# Altium PCB ADC130MSPS-V1-01.PcbDoc (part 5 of 7) (continued)
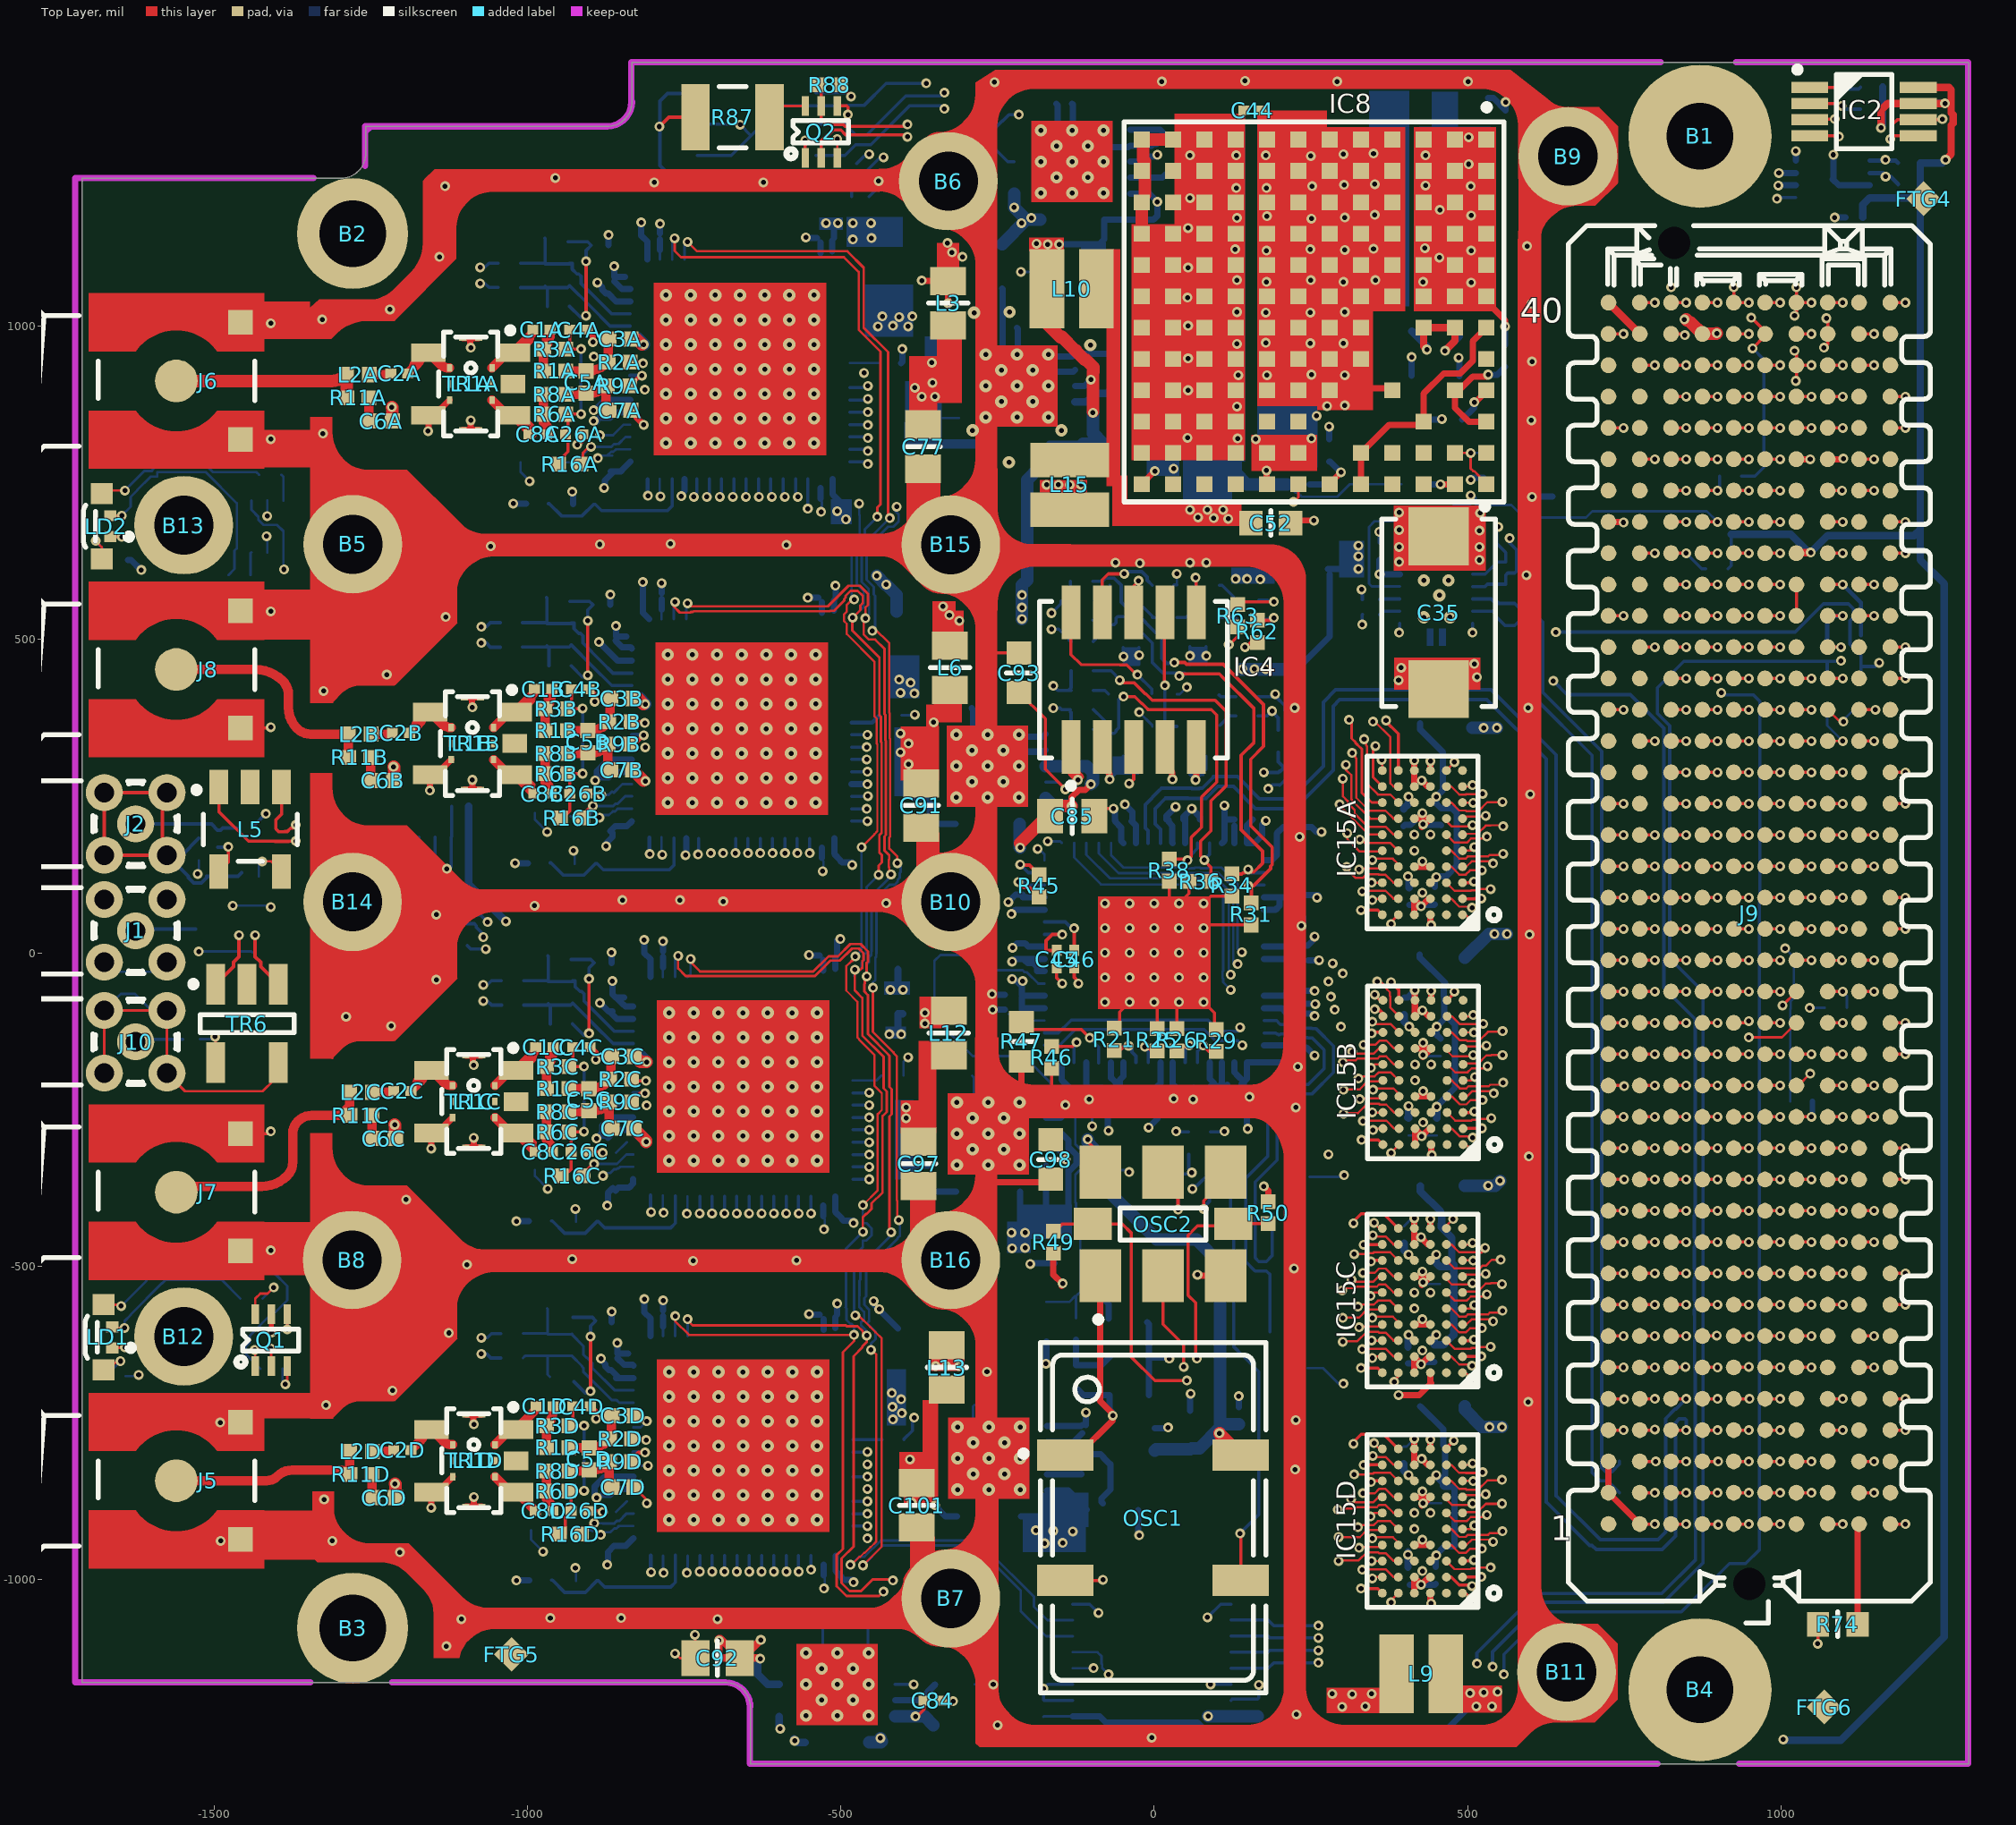
[diagram p0: Top Layer view]
## Nets (pads, with @x,y where several pads share a name; then routed paths per layer and width w, separated by ;. In a path a pad name is that pad's centre, name@x,y a point inside that pad or via, vN(x,y) a via of type N, cw(c..) or ccw(c..) an arc to the next point about the centre after c; other vN are vias at no path point) (continued)
  Bottom Layer w4: J1.2@-1675.87,-15 -1660.58,-30.28 R40.1@-1627,-30.28 -1591.15,-30.28 J1.2@-1575.87,-15 ; v1(-1527,126) -1527,129.54 -1525,131.55 R24.1@-1525,147.26 ; v1(-1470.82,75) -1470,75 -1469.6,75.4 D1.1@-1439.72,75.4 -1412.4,75.4 v1(-1410,73) ; Q5.4@-1441.18,722 -1441.18,707.31 -1429.87,696 -1429.87,691.25 -1421.75,683.13 -1400.13,683.13 -1390,673 Q5.1@-1390,639.32 -1390,613 v1(-1389,612) ; C12A.1@-1011.5,783 -1011.5,767.5 v1(-997,753) ; C12D.1@-994.5,-922 -994.5,-937.09 v1(-975.59,-956) ; C12C.1@-988.5,-347 -988.5,-356.5 v1(-968,-377) ; C12B.1@-988.5,223 -988.5,212.5 v1(-969,193) ; v1(-927,163) -925,161 R14B.2@-925,142 ; v1(-924,-982) -922.81,-983.19 R14D.2@-922.81,-1003 ; v1(-924,-409) v1@-924,-407 ; v1@-924,-406.1 v1@-924,-407 ; R14C.2@-922.92,-429.57 -922.92,-408.08 v1@-924,-407 ; v1(-888.25,789.78) -884.25,793.78 -873,793.78 ; v1(-885,826) -884.78,826.22 -863.78,826.22 -846.85,843.15 IC1A.4@-836.39,843.15 ; v1(-882.28,252) -870.83,252 C18B.1@-865.3,257.52 ; v1@-881.54,219.78 -870.28,219.78 -864.25,225.81 -860.49,225.81 -856.52,229.78 IC1B.2@-833.68,229.78 ; v1@-879.46,-351.8 -868.2,-351.8 -862.17,-345.76 -858.41,-345.76 -856.78,-344.14 -854.66,-344.14 -852.31,-341.8 IC1C.2@-831.6,-341.8 ; v1@-879.35,-925.22 -868.09,-925.22 -862.06,-919.19 -858.3,-919.19 -854.33,-915.22 IC1D.2@-831.49,-915.22 ; C17A.1@-876.87,909.95 -869.13,902.2 IC1A.7@-836.39,902.2 ; C17B.1@-874.16,335.95 -866.42,328.2 IC1B.7@-833.68,328.2 ; C17C.1@-872.08,-235.63 -864.34,-243.37 IC1C.7@-831.6,-243.37 ; C17D.1@-871.97,-809.05 -864.23,-816.8 IC1D.7@-831.49,-816.8 -829.28,-819 v1(-808,-819) ; C14A.1@-865,793.78 -873,793.78 ; C18B.1@-863,255.22 -849.07,269.15 IC1B.4@-833.68,269.15 ; C16D.1@-859.3,-679 IC1D.14@-831.49,-679 ; C18C.1@-858.98,-319.35 IC1C.4@-842.06,-302.43 ; C18D.1@-858.87,-892.78 IC1D.4@-841.94,-875.85 ; IC1A.2@-836.39,803.78 -859.23,803.78 -863.2,799.81 -866.97,799.81 -873,793.78 ; IC1D.10@-831.49,-757.74 -819.83,-757.74 v1(-810.09,-748) -820.04,-738.06 IC1D.11@-831.49,-738.06 ; IC1A.18@-789.15,1106.93 -789.15,1163.76 v1(-788.91,1164) ; IC1B.18@-786.43,532.93 -786.43,589.76 v1(-786.19,590) ; IC1C.18@-784.35,-38.65 -784.35,18.18 v1(-784.11,18.43) ; IC1D.18@-784.24,-612.07 -784.24,-555.24 v1(-784,-555) ; v1(-746,-990.02) -744.87,-988.9 IC1D.61@-744.87,-962.46 ; v1(-746,-416.6) -744.98,-415.58 IC1C.61@-744.98,-389.04 ; v1(-555.91,1142) -554.91,1141 C20A.1@-538.68,1141 ; v1@-553.19,568 -552.19,567 C20B.1@-535.97,567 ; v1(-553,567) v1@-553,567.81 ; v1(-551.11,-3.57) -550.11,-4.57 -533.89,-4.57 ; v1(-551,-577) -550,-578 C20D.1@-533.78,-578 ; v1@-531.91,708 -530.68,709.22 C19A.1@-530.68,720 ; IC10.7@-531.59,-1075.48 -529,-1078.07 IC10.21@-529,-1121 ; v1@-529.19,134 -527.97,135.22 C19B.1@-527.97,146 ; v1@-527.11,-437.57 -525.89,-436.35 C19C.1@-525.89,-425.57 ; v1@-527,-1011 -525.78,-1009.78 C19D.1@-525.78,-999 ; IC10.21@-457,-1121 -457,-1077.66 IC10.10@-454.82,-1075.48 ; R10B.1@-403.28,379 -383,379 v1(-382,380) ; R10C.1@-400.28,-196 -400.28,-174.28 v1(-393,-167) ; IC11.7@-290.59,-196.48 -288,-199.07 IC11.21@-288,-242 ; v2(-289,-782) -289,-724 IC12.7@-287,-722 ; C94.1@-286.5,-1168 v1(-257,-1168) ; C86.1@-281.57,-1233 v1(-250,-1233) ; IC11.8@-265,-196.48 -264,-197.48 IC11.21@-264,-242 ; v2(-264,-757) -264,-722 IC12.8@-260,-718 ; C59.1@-232,-98 ccw(c-207.21,-73.21) -207.21,-108.27 IC3.3@-175.2,-108.27 ; v1(-213,1087) C76.1@-182.43,1087 ; C54.2@-62.22,-347 -47.24,-347 cw(c-47.24,-357.24) v1(-40,-350) ; v3@-25,385 v3(-24,384) -3.14,363.14 TR3.3@-3.14,361.41 ; v1(1,769) -6.57,776.57 C75.1@-6.57,806 26.43,773 v1(31,773) ; v3(36,605) 36.14,604.86 TR2.3@36.14,587.59 ; TR5.3@36.14,412.59 40.59,412.59 v3(52,424) ; v1(226,-746) v1(226,-247) v1@226,-245 ; J3.2@245,-663.07 269.07,-663.07 297,-691 300,-688 v1(302,-688) ; J4.2@248,-357.93 300.07,-357.93 v1(303,-355) ; C22D.1@398,-788.22 402.78,-788.22 v1(415,-776) ; C22C.1@399,-436.22 413,-422.22 v1@413,-422 ; C21B.1@406,-291.78 C23B.1@451,-291.78 ; v1@429,-528 429.79,-528.78 C24C.1@456,-528.78 ; v1@430.02,-163.84 430.96,-164.78 C24B.1@457,-164.78 ; v1@432,-880 433.22,-878.78 C24D.1@458,-878.78
  Bottom Layer w5: IC13.4@-1173.39,11.39 -1173.39,52.61 -1165,61 v1(-1146,61) ; IC13.5@-1173.39,184.61 -1173.39,144.39 -1163,134 -1137,134 ; IC13.6@-1147.8,184.61 -1147.8,144.8 -1137,134 ; C41.2@-1121.78,234 -1121.78,185.04 IC13.7@-1122.2,184.61 -1122.2,137.2 -1122,137 -1126,137 v3(-1129,134) -1137,134 ; U2.5@-540.51,1373 -490,1373 v1(-484,1367) ; C104.2@-475,1259.78 -459.78,1275 v1(-455,1275) ; C103.2@-455.22,1207 -440,1222.22 v1(-440,1232) ; R10D.1@-399.25,-777.55 -399.25,-776.25 -386,-763 -386,-745 v1@-383.25,-742.25 ; IC14.2@-130,-1193.41 -175.81,-1193.41 C37.1@-177,-1192.22 v1(-177,-1175) -169.82,-1167.82 IC14.3@-130,-1167.82 ; IC14.8@-130,-1039.87 -103.13,-1039.87 v1(-89,-1054) ; v3(-71,277) -49.8,298.2 TR3.5@-49.8,313.57 TR3.4@-24.2,313.57 ; v3(-62,623) -61.22,623 TR4.9@-49.8,634.43 ; TR3.9@-49.8,460.43 TR3.10@-24.2,460.43 TR4.4@-24.2,487.57 ; TR4.5@-49.8,487.57 -49.8,473.8 v3(-49,473) ; v3(-25,594) -25,559 -3.14,537.14 TR4.3@-3.14,535.41 11.41,535.41 19,543 19,575 31.59,587.59 TR2.3@36.14,587.59 ; TR4.10@-24.2,634.43 -24.2,624.2 -23,623 v3(-23,622) ; v3@37,-285 38.28,-286.28 R52.2@55,-286.28 ; v3(57,623) 57,624 57.2,624.2 TR2.4@57.2,635.43 ; TR5.10@57.2,313.57 57.2,284.8 v3(66,276) 82.8,292.8 TR5.9@82.8,313.57 ; TR5.4@57.2,460.43 TR2.10@57.2,488.57 ; v3@62,-235 62.22,-234.78 C110.1@62.22,-213 ; TR5.5@82.8,460.43 TR2.9@82.8,488.57 ; TR2.5@82.8,635.43 82.8,624.2 83,624 v3(83,623) ; v1(85,-1061) 106.13,-1039.87 IC14.9@122.6,-1039.87 ; v1(90,-1168) 90.18,-1167.82 IC14.14@122.6,-1167.82 ; R30.2@90,-286.28 110.72,-286.28 v3(112,-285) ; IC14.15@122.6,-1193.41 124.79,-1191.22 C39.1@165,-1191.22 167,-1189.22 v1(167,-1169) ; C50.2@359,654.78 v3(359,672) ; v3(391,511) 391.93,511.93 IC16.6@391.93,525.63 ; v3(508,511) 508.07,511.07 IC16.5@508.07,525.63 ; C74.2@1239,1329.22 1254.22,1329.22 1256,1331 v3(1258,1331)
  Bottom Layer w10: R28.1@-1638.28,627 -1633,627 v1(-1617,611) ; v1(-929,736) -929,735 -927.72,733.72 R14A.2@-927.72,716 ; v1(-889,1070) -880.83,1061.83 -880.83,1058.19 -875.55,1052.92 -871.92,1052.92 -859,1040 IC1A.14@-836.39,1040 ; v1(-886.28,496) -856.28,466 IC1B.14@-833.68,466 ; v1(-885,-80) -871.22,-93.78 C16C.1@-869.63,-93.78 ; v1(-883,-648) -883.09,-648 -884.09,-649 -875.92,-657.17 -875.92,-660.81 -870.65,-666.08 -867.02,-666.08 C16D.1@-854.09,-679 ; C25A.1@-871.1,1129.45 -871.1,1144.9 -871,1145 v1(-871,1146) ; C25B.1@-868.38,555.45 -868.38,570.9 -868.28,571 v1(-868.28,572) ; C25C.1@-866.3,-16.13 -866.3,-0.67 -866.2,-0.57 v1(-866.2,0.43) ; C25D.1@-866.19,-589.55 -866.19,-574.1 -866.09,-574 v1(-866.09,-573) ; C16C.1@-865,-93.78 C16C.1@-869.63,-93.78 ; C16D.1@-859.19,-679 IC1D.14@-831.49,-679 ; IC1C.14@-831.6,-105.57 -857.84,-105.57 C16C.1@-869.63,-93.78 ; IC1A.18@-789.15,1122 C15A.1@-789.15,1138.95 ; C15A.1@-789.15,1148 v1@-789.15,1164.95 ; IC1B.18@-786.43,548 C15B.1@-786.43,564.95 ; -786.43,574 v1@-786.43,590.95 ; IC1C.18@-784.35,-23.57 C15C.1@-784.35,-6.62 ; C15C.1@-784.35,2.43 v1@-784.35,19.38 ; IC1D.18@-784.24,-597 C15D.1@-784.24,-580.05 ; C15D.1@-784.24,-571 v1@-784.24,-554.05 ; v1(-755,729) -754,729 -751.75,731.25 -751.75,734.99 -749.78,736.96 IC1A.61@-749.78,756.54 ; v1(-748,156) -747,156 -747.06,156.06 IC1B.61@-747.06,182.54 ; v1@-555.64,1141 C20A.1@-538.68,1141 ; v1@-552.92,567 C20B.1@-535.97,567 ; v1@-550.84,-4.57 -533.89,-4.57 ; v1@-550.73,-578 C20D.1@-533.78,-578 ; C19A.1@-532.91,725.05 IC1A.50@-532.91,742 ; IC1A.31@-532.91,1117 C20A.1@-532.91,1133.95 ; C19B.1@-530.19,151.05 IC1B.50@-530.19,168 ; IC1B.31@-530.19,543 C20B.1@-530.19,559.95 ; C19C.1@-528.11,-420.53 IC1C.50@-528.11,-403.57 ; IC1C.31@-528.11,-28.57 -528.11,-11.62 ; C19D.1@-528,-993.95 IC1D.50@-528,-977 ; IC1D.31@-528,-602 C20D.1@-528,-585.05 ; R10A.1@-404.16,941.45 -402,943.61 v1(-402,964) ; IC9.7@-291.59,390.52 -289,387.93 IC9.21@-289,345 ; IC9.8@-266,390.52 -265,389.52 IC9.21@-265,345 ; v1(-259,-66) -258,-67 C68.1@-238.78,-67 ; v1(-258,-91) C59.1@-238.78,-91 ; C78.1@-243,1060.57 -242,1059.57 IC6.21@-242,952 ; v1(-228,62) -221.1,68.9 IC3.12@-175.2,68.9 ; v1(-227,-14) -222.84,-9.84 IC3.8@-175.2,-9.84 ; IC6.8@-219,997.52 -218,996.52 IC6.21@-218,952 ; IC9.21@-217,321 -176.07,321 IC9.12@-173.48,323.59 ; IC9.21@-217,345 -177.66,345 IC9.11@-173.48,349.18 ; C69.1@-206,-12.78 -202.14,-16.64 -193.37,-16.64 -186.93,-23.08 -186.93,-29.53 IC3.7@-175.2,-29.53 ; v1(-198,-497) -196.43,-495.43 C95.1@-159,-495.43 ; v1(-173,-656) -172,-655 C55.1@-172,-620.5 ; IC11.12@-172.48,-263.41 -149.41,-263.41 -142,-256 v1(-142,-243) -142,-239.87 -151.68,-239.87 -153.73,-237.82 IC11.11@-172.48,-237.82 ; IC12.12@-171.48,-781.41 -129.41,-781.41 C102.1@-115,-767 ; IC12.11@-171.48,-755.82 -116.82,-755.82 C102.1@-115,-754 ; IC6.21@-170,928 -129.07,928 IC6.12@-126.48,930.59 ; IC6.21@-170,952 -130.66,952 IC6.11@-126.48,956.18 -74.31,956.18 C79.1@-66,964.5 ; IC7.7@-156.59,1355.52 -154,1352.93 IC7.21@-154,1310 ; IC7.8@-131,1355.52 -130,1354.52 IC7.21@-130,1310 ; C102.1@-109,-754 v1(-109,-734) ; IC3.62@-108.27,-175.2 -108.27,-214.95 C107.1@-108.22,-215 ; v1@-108,-234 -108.22,-233.78 C107.1@-108.22,-215 ; C108.1@-82.68,-215.32 -107.9,-215.32 C107.1@-108.22,-215 ; IC7.21@-82,1286 -41.07,1286 IC7.12@-38.48,1288.59 -4.27,1288.59 -1.99,1290.87 3.38,1290.87 C80.1@18,1305.5 9.5,1314 -38.3,1314 IC7.11@-38.48,1314.18 ; v1(-65,230) -63,230 -62.78,229.78 C67.1@-62.78,211 ; C67.1@-62,212 -62,209 -53.08,200.08 -53.08,179.06 IC3.22@-49.21,175.2 ; C100.1@-25.57,-890 -25.57,-928.43 v1(-24,-930) ; C58.1@-11,-590 -8.5,-592.5 C56.1@-8.5,-646.28 ; C57.1@-8.5,-706.28 C56.1@-8.5,-646.28 ; v1(24,-648) 23,-649 21,-649 18.28,-646.28 C56.1@-8.5,-646.28 ; IC3.55@29.53,-175.2 29.53,-209.75 C105.1@32.78,-213 32.78,-229.22 31,-231 v1(31,-233) ; C70.1@46.78,213 46.78,216.78 v1(60,230) 73.22,216.78 C64.1@73.22,213 ; IC3.27@49.21,175.2 C70.1@49.21,215.79 ; C53.1@57,-731.5 57,-706 58,-705 v1(58,-704) ; IC3.50@127.95,-175.2 127.95,-190.95 134,-197 142.89,-205.89 143,-206 C109.1@143,-213 ; C10.2@135,-725.22 v1(135,-708) ; C109.1@139.39,-209.39 147.64,-201.14 IC3.49@147.64,-175.2 207.42,-175.2 C106.1@211,-178.78 228.78,-178.78 229,-179 v1(229,-182) ; C109.1@141,-217 v1@150,-226 ; v1@149,-226 v1@152.78,-229.78 ; C65.1@157,213 147.64,203.64 IC3.32@147.64,175.2 160.2,175.2 172.22,187.22 172.22,205.22 v1(178,211) ; C72.1@218,64.22 230.78,64.22 238,57 v1@238,39 ; C63.1@219,38.78 233.78,38.78 234,39 v1@238,39 ; v1@230.62,187 231,187 v1@231,186 ; v1@231,183 v1@231,186 ; v1(232,185) v1@231,186 ; v1(235,43) 235,42 v1@238,39 ; C61.1@238.78,-97 249.55,-97 250.42,-97.87 254.87,-97.87 v3@256,-99 ; C66.1@238.78,-61 v3(256,-61) ; C62.1@245.78,-12 v3(263,-12) ; v3(256,-101) v3@256,-99 ; v3@256,-98 v3@256,-99 ; R80.2@279,819.72 279,838 280,839 v1(279,840) ; C22A.1@398,202.22 400.23,204.45 409.45,204.45 v1(428,223) ; C22B.1@399,-71.22 404.65,-71.22 v1(416.02,-59.84) ; C21C.1@405,-655.78 424.79,-655.78 v1(426,-657) 429.22,-653.78 C23C.1@447,-653.78 ; C21A.1@407,76.22 447,76.22 C23A.1@448,77.22 ; C21D.1@408,-1008.78 425.78,-1008.78 v1(426,-1009) 447.78,-1009 C23D.1@449,-1007.78 ; C99.1@411,921.57 v1(411,951) ; C73.2@428.5,851 458,851 v1(459,852) ; v1@429,203 430.45,204.45 456.77,204.45 C24A.1@458,203.22 ; R82.1@480,712.28 496.15,712.28 509.74,725.87 505.62,730 v1(505,730) ; v1(486,950) 487,949 C29.1@487,920.57 ; v1(505,755) 505,757 504,758 504.28,758.28 R83.2@526,758.28 ; C30.1@533,1364.5 541.5,1364.5 561,1345 v1(561,1358) ; v1(603,728) 603.72,728.72 R48.1@636,728.72 ; v1(997,1245) 997.16,1244.84 IC5.3@1023.94,1244.84 ; IC5.4@1023.94,1264.53 1023.94,1279.94 v1(1024,1280) ; v1(1084,1274) 1084,1236 IC5.9@1083,1235 1092.84,1225.16 IC5.7@1142.06,1225.16 ; v1(1086,1174) C31.2@1103.22,1174
  Bottom Layer w20: IC1A.11@-836.39,980.94 -824.94,980.94 v1(-815,971) ; IC1B.11@-833.68,406.94 -822.23,406.94 v1(-812.28,397) ; IC1C.11@-831.6,-164.63 -820.15,-164.63 v1(-810.2,-174.57)
  other v1: -4,-1253 227,-1216 -1130,-1107 -1106,-1064 -697,-1064 -964,-1062 -851,-1062 -527,-1015 428,-987 -1204,-957 -1312,-939 428,-937 -883.35,-929.22 -880.09,-893 -810,-879 429,-879 -1325,-873 428,-860 225,-825 -383.25,-742.24 -1322,-722 597,-717 -1216,-699 -267,-669 428,-635 -1126,-607 428,-585 429,-526 428,-509 223,-504 -1097,-498 -736,-492 -571,-491 -929,-489 426,-454 -527.11,-441.57 -1194,-394 -880,-356 598,-325 -880.2,-319.57 429.02,-270.84 -810.2,-243.57 -104,-234 152,-230 429.02,-220.84 429,-163 429.02,-143.84 -1218,-117 -1290,-102 -78.74,-78.74 0,-78.74 39.37,-78.74 -1146,-43 -78.74,-39.37 -39.37,-39.37 78.74,-39.37 -78.74,0 -39.37,0 0,0 39.37,0 78.74,0 599,29 -78.74,39.37 -39.37,39.37 0,39.37 39.37,39.37 -989,75 -428,79 -78.74,78.74 -39.37,78.74 0,78.74 -688,82 -849,84 -757,84 428,96 -529.19,130 428,146 429,205 -885.54,215.78 600,253 -812,274 -122,276 363,308 -812.28,328 1151,388 224,391 597,391 -1326,418 390,435 515,440 -1225,444 394,455 511,461 -1131,536 594,603 -1059,649 -587,651 -885,652 -772,653 -531.91,704 162,820 251,821 -1327,829 602,850 259,857 276,873 304,874 -813,899 180,922 304,922 251,923 603,944 -894.4,951.8 249,973 302,973 178,974 -1328,1011 178,1022 249,1022 304,1023 -1220,1027 602,1036 179,1071 302,1071 250,1074 353,1074 -1141,1111 179,1121 304,1122 249,1123 350,1124 595,1128 251,1172 304,1174 180,1176 352,1178 179,1221 -1132,1224 252,1224 303,1226 352,1227 -798,1230 -624,1230 -956,1237 250,1272 178,1273 302,1275 350,1276 -255,1390 12,1391 292,1391 501,1391 145,1392
  other v2: -556,-1218 -506,-1218 -456,-1218 -531,-1193 -481,-1193 -556,-1168 -506,-1168 -456,-1168 -531,-1143 -481,-1143 -556,-1118 -506,-1118 -456,-1118 -774.4,-905.38 -735.03,-905.38 -695.66,-905.38 -656.29,-905.38 -616.92,-905.38 -577.55,-905.38 -538.18,-905.38 -774.4,-866.01 -735.03,-866.01 -695.66,-866.01 -656.29,-866.01 -616.92,-866.01 -577.55,-866.01 -538.18,-866.01 -314,-857 -264,-857 -214,-857 -289,-832 -239,-832 -774.4,-826.64 -735.03,-826.64 -695.66,-826.64 -656.29,-826.64 -616.92,-826.64 -577.55,-826.64 -538.18,-826.64 -314,-807 -264,-807 -214,-807 -774.4,-787.27 -735.03,-787.27 -695.66,-787.27 -656.29,-787.27 -616.92,-787.27 -577.55,-787.27 -538.18,-787.27 -239,-782 -314,-757 -214,-757 -774.4,-747.9 -735.03,-747.9 -695.66,-747.9 -656.29,-747.9 -616.92,-747.9 -577.55,-747.9 -538.18,-747.9 -774.4,-708.53 -735.03,-708.53 -695.66,-708.53 -656.29,-708.53 -616.92,-708.53 -577.55,-708.53 -538.18,-708.53 -774.4,-669.16 -735.03,-669.16 -695.66,-669.16 -656.29,-669.16 -616.92,-669.16 -577.55,-669.16 -538.18,-669.16 -315,-339 -265,-339 -215,-339 -774.51,-331.95 -735.14,-331.95 -695.77,-331.95 -656.4,-331.95 -617.03,-331.95 -577.66,-331.95 -538.29,-331.95 -290,-314 -240,-314 -774.51,-292.58 -735.14,-292.58 -695.77,-292.58 -656.4,-292.58 -617.03,-292.58 -577.66,-292.58 -538.29,-292.58 -315,-289 -215,-289 -290,-264 -240,-264 -774.51,-253.21 -735.14,-253.21 -695.77,-253.21 -656.4,-253.21 -617.03,-253.21 -577.66,-253.21 -538.29,-253.21 -315,-239 -265,-239 -215,-239 -774.51,-213.84 -735.14,-213.84 -695.77,-213.84 -656.4,-213.84 -617.03,-213.84 -577.66,-213.84 -538.29,-213.84 -774.51,-174.47 -735.14,-174.47 -695.77,-174.47 -656.4,-174.47 -617.03,-174.47 -577.66,-174.47 -538.29,-174.47 -774.51,-135.1 -735.14,-135.1 -695.77,-135.1 -656.4,-135.1 -617.03,-135.1 -577.66,-135.1 -538.29,-135.1 -774.51,-95.73 -735.14,-95.73 -695.77,-95.73 -656.4,-95.73 -617.03,-95.73 -577.66,-95.73 -538.29,-95.73 -776.59,239.62 -737.22,239.62 -697.85,239.62 -658.48,239.62 -619.11,239.62 -579.74,239.62 -540.37,239.62 -316,248 -266,248 -216,248 -291,273 -241,273 -776.59,278.99 -737.22,278.99 -697.85,278.99 -658.48,278.99 -619.11,278.99 -579.74,278.99 -540.37,278.99 -316,298 -266,298 -216,298 -776.59,318.36 -737.22,318.36 -697.85,318.36 -658.48,318.36 -619.11,318.36 -579.74,318.36 -540.37,318.36 -291,323 -241,323 -316,348 -266,348 -216,348 -776.59,357.73 -737.22,357.73 -697.85,357.73 -658.48,357.73 -619.11,357.73 -579.74,357.73 -540.37,357.73 -776.59,397.1 -737.22,397.1 -697.85,397.1 -658.48,397.1 -619.11,397.1 -579.74,397.1 -540.37,397.1 -776.59,436.47 -737.22,436.47 -697.85,436.47 -658.48,436.47 -619.11,436.47 -579.74,436.47 -540.37,436.47 -776.59,475.84 -737.22,475.84 -697.85,475.84 -658.48,475.84 -619.11,475.84 -579.74,475.84 -540.37,475.84 430.32,535.47 472,535.61 455,570.61 430.32,594.53 469.69,594.53 -232,783 -779.31,813.62 -739.94,813.62 -700.57,813.62 -661.2,813.62 -621.83,813.62 -582.46,813.62 -543.09,813.62 -290,834 -148,834 -779.31,852.99 -739.94,852.99 -700.57,852.99 -661.2,852.99 -621.83,852.99 -582.46,852.99 -543.09,852.99 -269,855 -219,855 -169,855 -244,880 -194,880 -779.31,892.36 -739.94,892.36 -700.57,892.36 -661.2,892.36 -621.83,892.36 -582.46,892.36 -543.09,892.36 -269,905 -219,905 -169,905 -244,930 -194,930 -779.31,931.73 -739.94,931.73 -700.57,931.73 -661.2,931.73 -621.83,931.73 -582.46,931.73 -543.09,931.73 -269,955 -219,955 -169,955 -102,970 -779.31,971.1 -739.94,971.1 -700.57,971.1 -661.2,971.1 -621.83,971.1 -582.46,971.1 -543.09,971.1 -779.31,1010.47 -739.94,1010.47 -700.57,1010.47 -661.2,1010.47 -621.83,1010.47 -582.46,1010.47 -543.09,1010.47 -287.61,1021.77 -231,1023 -779.31,1049.84 -739.94,1049.84 -700.57,1049.84 -661.2,1049.84 -621.83,1049.84 -582.46,1049.84 -543.09,1049.84 -181,1213 -131,1213 -81,1213 -156,1238 -106,1238 -181,1263 -131,1263 -81,1263 -156,1288 -106,1288 -181,1313 -131,1313 -81,1313
  other v3: 62,-234 57,474 83,474 -24,475
HA01_CC_N: J9.e3 | length 24.1
  Top Layer w5: J9.e3@974.92,-811.99 v1(999,-812)
HA08_N: J9.f11 | length 24.1
  Top Layer w5: J9.f11@924.92,-411.99 v1(949,-412)
HA12_N: J9.f14 OSC2.8 R50.1 | length 1618.1
  Top Layer w5: v1@66,-646 66,-559 53.96,-546.96 53.96,-451.04 69,-436 OSC2.8@129.3,-436 ; R50.1@182,-432.72 134.28,-432.72 OSC2.8@131,-436 ; J9.f14@924.92,-261.99 v1(949,-262) ; OSC2.8@129.3,-436 OSC2.8@131,-436 ; OSC2.8@129.3,-436 OSC2.8@126.3,-433 128,-433 OSC2.8@131,-436
  L3 w5: v1(68,-648) 232,-648 294.64,-710.64 375.63,-710.64 375.63,-711.95 384.05,-720.37 395.95,-720.37 404.37,-711.95 404.37,-710.64 531.36,-710.64 580,-662 580,-477 680.63,-376.37 862.63,-376.37 869.13,-369.87 869.13,-305.87 898.63,-276.37 904.95,-276.37 911.33,-270 941,-270 v1(949,-262)
HA12_P: J9.f13 OSC2.2 | length 1413.8
  Top Layer w5: OSC2.2@14,-515.68 14,-593 47,-626 v1(47,-661) ; J9.f13@924.92,-311.99 v1(949,-312)
  L3 w5: v1(47,-661) 50.87,-664.87 201.87,-664.87 256.64,-719.64 363.91,-719.64 364.27,-720 370.94,-720 380.32,-729.37 399.68,-729.37 409.42,-719.64 535.09,-719.64 589,-665.73 589,-488 691.63,-385.37 915.63,-385.37 925,-376 925,-354 949,-330 v1(949,-312)
HA13_N: J9.e13 | length 24.1
  Top Layer w5: J9.e13@974.92,-311.99 v1(999,-312)
HA13_P: J9.e12 OSC2.7 R49.1 | length 1696.4
  Top Layer w5: R49.1@-160,-447 -161,-447 -147,-433 OSC2.7@-98.3,-433 -51,-433 -37,-447 -37,-645 1,-683 v1(52,-683) ; J9.e12@974.92,-361.99 v1(999,-362)
  L3 w5: v1(52,-683) 58,-689 205,-689 245,-729 360.54,-729 367.22,-729 376.59,-738.37 403.41,-738.37 412.78,-729 550,-729 606,-673 606,-491 699.37,-397.63 792.63,-397.63 792.84,-397.84 793.05,-397.63 892.63,-397.63 892.84,-397.84 893.05,-397.63 904.95,-397.63 905.16,-397.84 913.16,-397.84 915,-396 965,-396 v1(999,-362)
HA16_N: J9.e16 | length 24.1
  Top Layer w5: J9.e16@974.92,-161.99 v1(999,-162)
HA16_P: J9.e15 | length 24.1
  Top Layer w5: J9.e15@974.92,-211.99 v1(999,-212)
HA17_CC_N: J9.k17 | length 24.1
  Top Layer w5: J9.k17@724.92,-111.99 v1(749,-112)
HA19_P: J9.f19 | length 24.1
  Top Layer w5: J9.f19@924.92,-11.99 v1(949,-12)
HA20_N: J9.e19 | length 24.1
  Top Layer w5: J9.e19@974.92,-11.99 v1(999,-12)
HA20_P: J9.e18 | length 24.1
  Top Layer w5: J9.e18@974.92,-61.99 v1(999,-62)
HB00_CC_N: J9.k26
HB00_CC_P: J9.k25
HB01_N: J9.j25
HB01_P: J9.j24
HB02_N: J9.f23 | length 24.1
  Top Layer w5: J9.f23@924.92,188.01 v1(949,188)
HB02_P: J9.f22 | length 24.1
  Top Layer w5: J9.f22@924.92,138.01 v1(949,138)
HB03_N: J9.e22 | length 24.1
  Top Layer w5: J9.e22@974.92,138.01 v1(999,138)
HB03_P: J9.e21 | length 24.1
  Top Layer w5: J9.e21@974.92,88.01 v1(999,88)
HB04_N: J9.f26 | length 24.1
  Top Layer w5: J9.f26@924.92,338.01 v1(949,338)
HB04_P: J9.f25 | length 24.1
  Top Layer w5: J9.f25@924.92,288.01 v1(949,288)
HB05_N: J9.e25 | length 24.1
  Top Layer w5: J9.e25@974.92,288.01 v1(999,288)
HB05_P: J9.e24 | length 24.1
  Top Layer w5: J9.e24@974.92,238.01 v1(999,238)
HB06_CC_N: J9.k29
HB06_CC_P: J9.k28
HB07_N: J9.j28
HB07_P: J9.j27
HB08_N: J9.f29 | length 24.1
  Top Layer w5: J9.f29@924.92,488.01 v1(949,488)
HB08_P: J9.f28 | length 24.1
  Top Layer w5: J9.f28@924.92,438.01 v1(949,438)
HB09_N: J9.e28 | length 24.1
  Top Layer w5: J9.e28@974.92,438.01 v1(999,438)
HB09_P: J9.e27 | length 24.1
  Top Layer w5: J9.e27@974.92,388.01 v1(999,388)
HB10_N: J9.k32
HB10_P: J9.k31
HB11_N: J9.j31
HB11_P: J9.j30
HB12_N: J9.f32 | length 24.1
  Top Layer w5: J9.f32@924.92,638.01 v1(949,638)
HB12_P: J9.f31 | length 24.1
  Top Layer w5: J9.f31@924.92,588.01 v1(949,588)
HB13_N: J9.e31 | length 24.1
  Top Layer w5: J9.e31@974.92,588.01 v1(999,588)
HB13_P: J9.e30 | length 24.1
  Top Layer w5: J9.e30@974.92,538.01 v1(999,538)
HB14_N: J9.k35
HB14_P: J9.k34
HB15_N: J9.j34
HB15_P: J9.j33
HB16_N: J9.f35 | length 24.1
  Top Layer w5: J9.f35@924.92,788.01 v1(949,788)
HB16_P: J9.f34 | length 24.1
  Top Layer w5: J9.f34@924.92,738.01 v1(949,738)
HB17_CC_N: J9.k38
HB17_CC_P: J9.k37
HB18_N: J9.j37
HB18_P: J9.j36
HB19_N: J9.e34 | length 24.1
  Top Layer w5: J9.e34@974.92,738.01 v1(999,738)
HB19_P: J9.e33 | length 24.1
  Top Layer w5: J9.e33@974.92,688.01 v1(999,688)
HB20_N: J9.f38 | length 24.1
  Top Layer w5: J9.f38@924.92,938.01 v1(949,938)
HB20_P: J9.f37 | length 24.1
  Top Layer w5: J9.f37@924.92,888.01 v1(949,888)
HB21_N: J9.e37 | length 24.1
  Top Layer w5: J9.e37@974.92,888.01 v1(999,888)
HB21_P: J9.e36 | length 24.1
  Top Layer w5: J9.e36@974.92,838.01 v1(999,838)
INPUTA: C2A.1 L2A.2 | length 73.7
  Top Layer w5: L2A.2@-1252.89,925 -1255.39,925 C2A.1@-1218.78,925
  Top Layer w15: L2A.2@-1252.89,923 -1223.61,923 ccw(c-1223.61,929.83) C2A.1@-1218.78,925
INPUTB: C2B.1 L2B.2 | length 73.7
  Top Layer w5: L2B.2@-1250.17,351 -1252.67,351 C2B.1@-1216.06,351
  Top Layer w15: L2B.2@-1250.17,349 -1220.89,349 ccw(c-1220.89,355.83) C2B.1@-1216.06,351
INPUTC: C2C.1 L2C.2 | length 73.7
  Top Layer w5: L2C.2@-1248.09,-220.57 -1250.59,-220.57 C2C.1@-1213.98,-220.57
  Top Layer w15: L2C.2@-1248.09,-222.57 -1218.81,-222.57 ccw(c-1218.81,-215.75) C2C.1@-1213.98,-220.57
INPUTD: C2D.1 L2D.2 | length 37.1
  Top Layer w5: L2D.2@-1250.48,-794 L2D.2@-1247.98,-794
  Top Layer w15: L2D.2@-1247.98,-796 -1218.7,-796 ccw(c-1218.7,-789.17) C2D.1@-1213.87,-794
LA00_CC_N: J9.g7 | length 25.5
  Top Layer w5: J9.g7@874.92,-611.99 898.99,-611.99 v1(898,-611)
LA06_N: IC14.11 J9.c11 | length 1858
  Top Layer w5: J9.c11@1074.92,-411.99 v1(1099,-412)
  L3 w5: v1(262,-1093.97) 264.77,-1096.74 578.93,-1096.74 617,-1058.67 1161.33,-1058.67 1227.5,-992.5 1227.5,-455.5 1206,-434 1121,-434 v1(1099,-412)
  Bottom Layer w5: IC14.11@122.6,-1091.05 182,-1091.05 184.92,-1093.97 v1(262,-1093.97)
LA06_P: IC14.10 J9.c10 | length 1716.2
  Top Layer w5: J9.c10@1074.92,-461.99 v1(1099,-462)
  L3 w5: v1(262,-1074.22) 264.84,-1074.22 274.16,-1083.54 573.46,-1083.54 611,-1046 1141,-1046 1175,-1012 1175,-507 1155,-487 1119,-487 1116,-484 1106.31,-474.31 1099,-467 v1(1099,-462)
  Bottom Layer w5: IC14.10@122.6,-1065.46 182,-1065.46 190.76,-1074.22 v1(262,-1074.22)
LA09_N: IC3.19 J9.d15 | length 1546.9
  Top Layer w4: J9.d15@1024.92,-211.99 1028.01,-211.99 v3(1047,-193)
  L5 w4: v3(288,-91) 335,-44 336.13,-44 336.13,-37.77 360.89,-13 576.9,-13 578.9,-15 582,-15 700,-133 848,-133 852,-129 927,-129 928,-128 937.79,-128 943.67,-122.13 971.13,-122.13 994,-145 1010,-145 1022,-157 1022,-168 v3(1047,-193)
  L3 w4: v3(122,-35) 138,-51 145,-51 217,-123 275,-123 285.13,-112.87 285.13,-112.67 288,-109.79 v3(288,-91)
  Bottom Layer w4: IC3.19@-108.27,175.2 -108.27,156.27 -71,119 99,119 119,99 119,-32 v3(122,-35)
LA09_P: J9.d14 R19.1 | length 49.8
  Top Layer w5: J9.d14@1024.92,-261.99 v1(1049,-262)
  Bottom Layer w8.2: v1(1049,-262) 1050.72,-260.28 R19.1@1050.72,-237
LA10_N: IC14.13 J9.c15 | length 2130.2
  Top Layer w5: J9.c15@1074.92,-211.99 v1(1099,-212)
  L3 w5: v1(262,-1133.46) 267.37,-1128.09 267.95,-1128.09 275,-1121.04 278.63,-1121.04 280.05,-1119.63 291.95,-1119.63 293.37,-1121.04 592.83,-1121.04 631.09,-1082.78 685.4,-1082.78 685.62,-1083 1171,-1083 1172,-1082 1172.73,-1082 1221.73,-1033 1253,-1001.73 1253,-321.73 1253,-301.27 1252,-300.27 1252,-258 1231,-237 1124,-237 v1(1099,-212)
  Bottom Layer w5: IC14.13@122.6,-1142.23 182,-1142.23 190.76,-1133.46 v1(262,-1133.46)
LA11_N: J9.h17 | length 24.1
  Top Layer w5: J9.h17@824.92,-111.99 v1(849,-112)
LA13_N: IC3.21 J9.d18 | length 1335.8
  Top Layer w4: v3(1003,-84) 1024.92,-62.08 J9.d18@1024.92,-61.99
  L5 w4: v3(278,-46) 307,-46 355,2 608,2 681,-71 711,-71 729,-89 766,-89 771,-84 v3(1003,-84)
  L3 w4: v3(140,1) 140,-6.79 145.87,-12.67 145.87,-12.97 172.9,-40 272,-40 v3(278,-46)
  Bottom Layer w4: IC3.21@-68.9,175.2 -68.9,155.9 -49,136 46.64,136 47.92,134.72 58.58,134.72 58.99,135.13 64.33,135.13 65.21,136 72.79,136 73.67,135.13 85.33,135.13 86.21,136 107,136 133,110 133,6 140,-1 v3(140,1)
LA13_P: IC3.18 J9.d17 | length 1508.4
  Top Layer w4: v3(949,-135) 1002,-135 1024.92,-112.08 J9.d17@1024.92,-111.99
  L5 w4: v3(298,-118) 306,-110 306,-86 343.13,-48.87 343.13,-40.67 363.79,-20 574,-20 701,-147 850,-147 861,-136 929.9,-136 930.9,-135 v3(949,-135)
  L3 w4: v3(122,-59) 142,-59 213,-130 286,-130 v3(298,-118)
  Bottom Layer w4: IC3.18@-127.95,175.2 -127.95,151.95 -85,109 96,109 110,95 110,-28.79 109.13,-29.67 109.13,-40.33 110,-41.21 110,-47 v3(122,-59)